# KiCad board Scopetrex.kicad_pcb (continued)
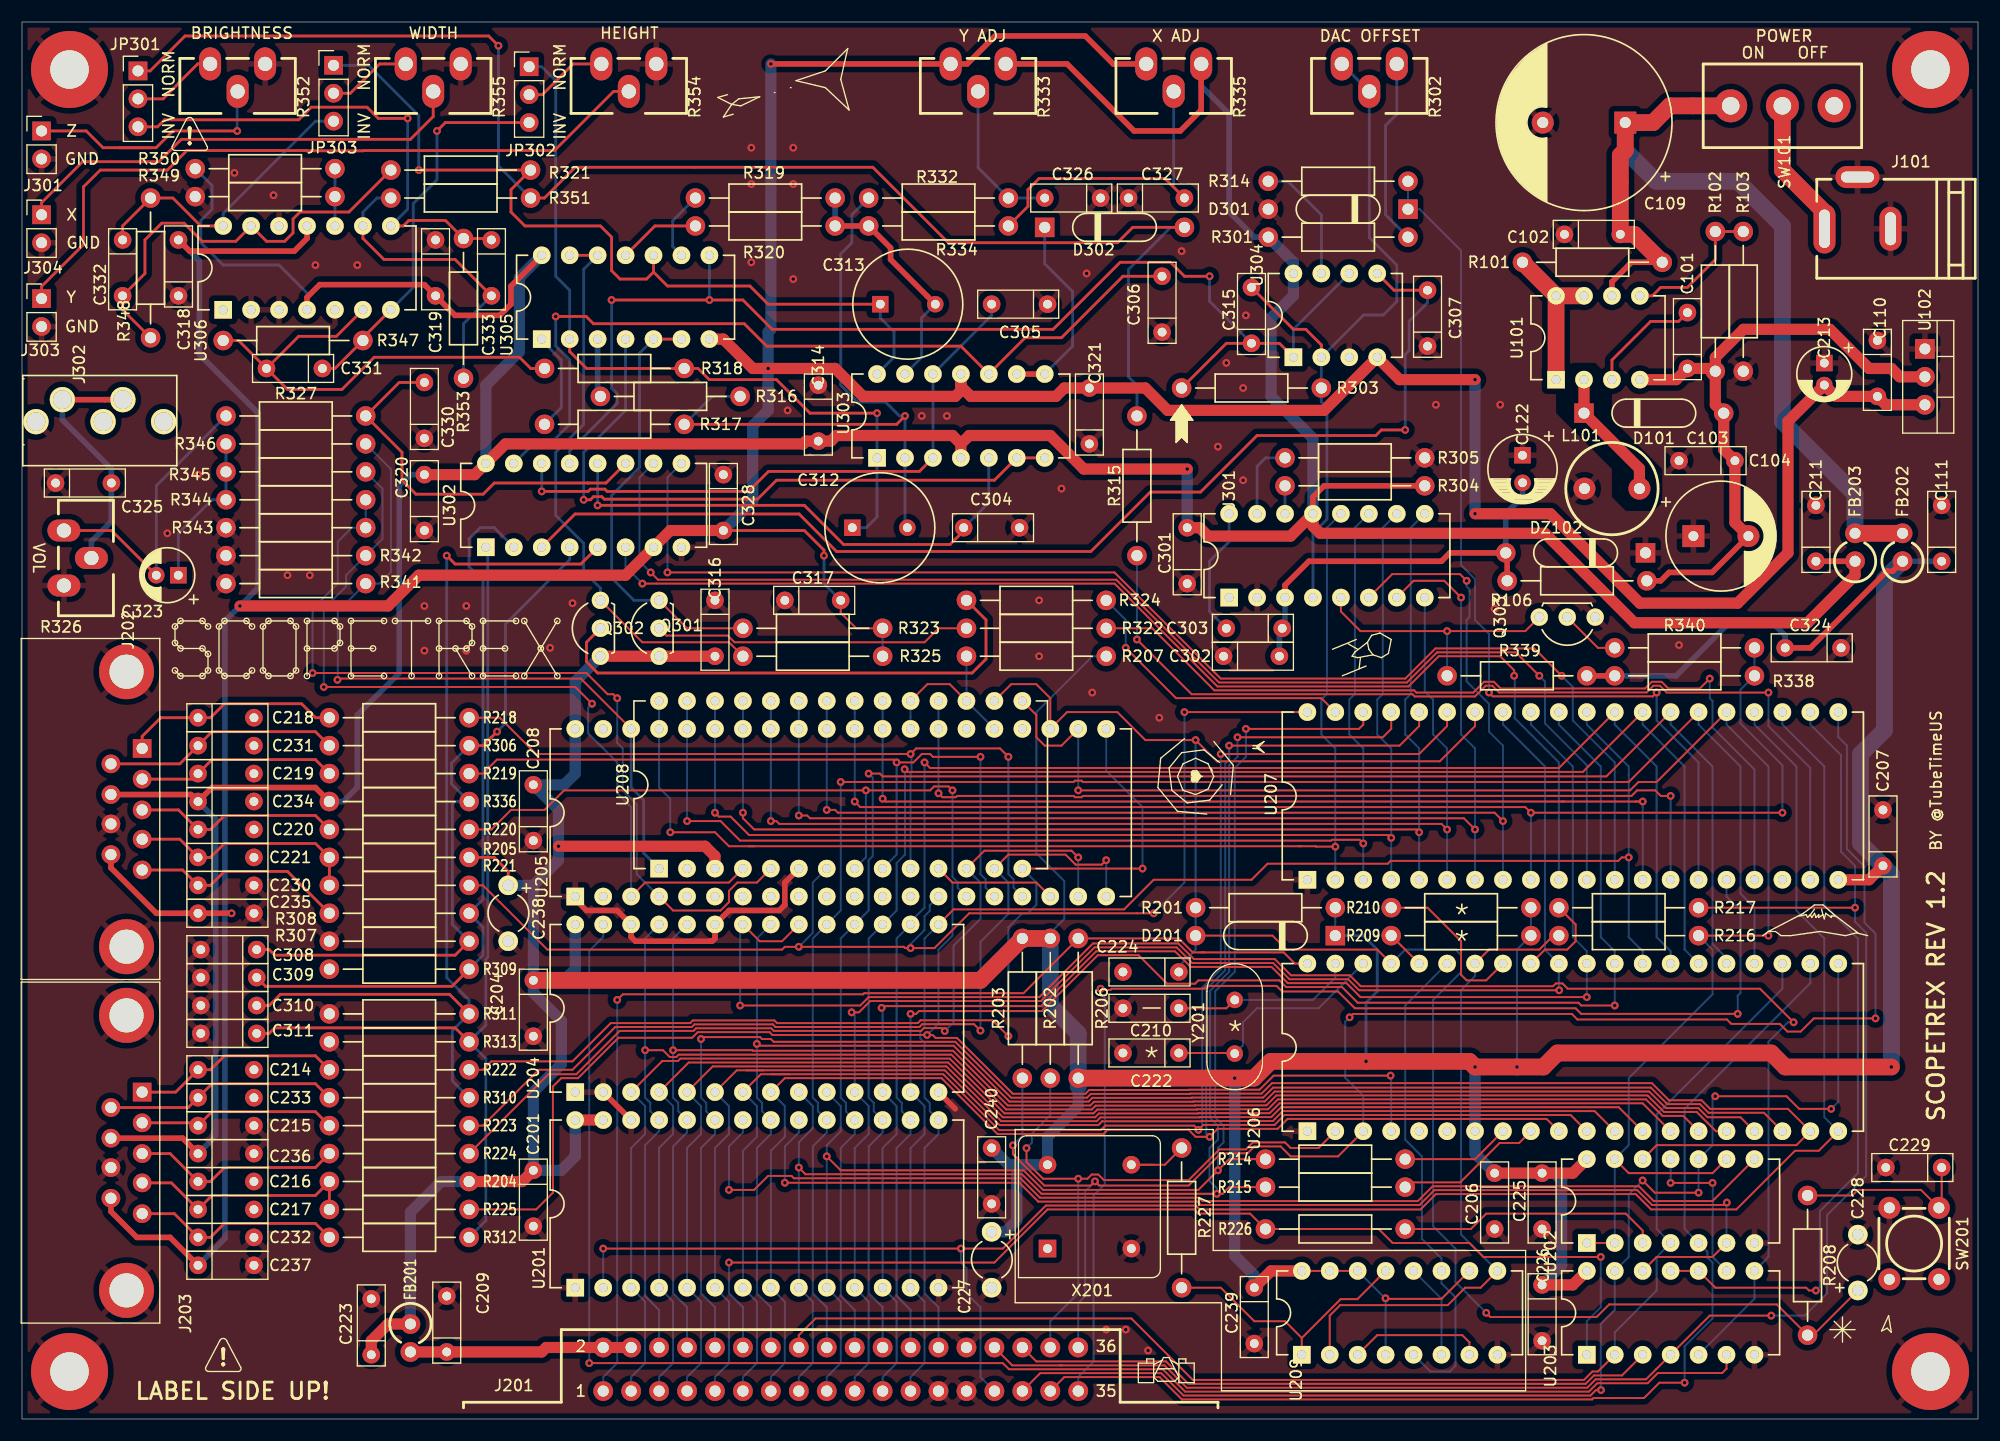
[diagram p0: board, top side]
## Nets
+5V: C111.1 C201.1 C204.1 C206.1 C207.1 C208.2 C223.1 C225.1 C226.1 C227.1 C238.1 C239.1 C240.1 C316.2 C324.2 D201.1 FB201.1 FB202.1 Q301.1 Q302.1 R201.1 R202.2 R203.2 R204.1 R205.1 R206.2 R207.2 R209.1 R210.2 R338.2 R339.2 U201.27 U201.28 U202.14 U203.14 U204.28 U205.40 U206.7 U207.20 U208.3 U209.4 U209.10 U209.14 U209.15 U209.16 X201.8
+5VA: C211.1 C234.1 C236.1 C301.2 C314.2 C319.2 C320.2 FB203.1 J202.7 J203.7 R301.2 R304.2 R333.1 R335.1 R336.1 R350.2 U301.13 U302.16 U303.4 U304.8 U305.14 U306.4
-5VA: C110.2 C213.2 C235.1 C237.1 C317.2 C318.2 C321.2 C328.2 J202.9 J203.9 R323.2 R325.2 R333.3 R335.3 U102.3 U302.7 U303.11 U304.4 U305.7 U306.11
-12VA: C122.2 C302.2 C303.1 DZ102.2 R106.1 U301.3
GND: C102.1 C103.2 C104.1 C109.2 C110.1 C111.2 C122.1 C201.2 C204.2 C206.2 C207.2 C208.1 C209.2 C210.2 C211.2 C213.1 C214.2 C215.2 C216.2 C217.2 C218.2 C219.2 C220.2 C221.2 C222.2 C223.2 C224.2 C225.2 C226.2 C227.2 C228.2 C229.2 C230.2 C231.2 C232.2 C233.2 C234.2 C235.2 C236.2 C237.2 C238.2 C239.2 C240.2 C301.1 C302.1 C304.2 C305.1 C306.1 C307.1 C308.2 C309.2 C310.2 C311.2 C314.1 C316.1 C317.1 C318.1 C319.1 C320.1 C321.1 C324.1 C325.1 C326.1 C327.1 C328.1 C330.1 D301.2 DZ102.1 J101.2 J101.3 J201.25 J201.27 J201.28 J202.8 J202.MP J203.8 J203.MP J301.2 J302.1 J303.2 J304.2 L101.2 MNT1.1 MNT2.1 MNT3.1 MNT4.1 Q303.1 R103.1 R305.1 R307.2 R309.2 R311.2 R313.2 R326.3 R341.2 R342.2 R343.2 R349.1 R352.1 R354.1 R355.1 SW201.4 U102.1 U201.1 U201.14 U201.26 U202.7 U203.7 U204.1 U204.2 U204.14 U204.23 U204.26 U205.1 U206.1 U207.1 U208.6 U209.8 U301.2 U302.8 U304.3 U306.2 U306.3 U306.5 U306.12 X201.4
/A0: J201.17 R214.1 U201.10 U204.10 U207.38
/A0R: R214.2 U206.8
/A1: J201.15 R215.1 U201.9 U204.9 U207.37
/A1R: R215.2 U206.9
/A2: J201.13 U201.8 U204.8 U206.10 U207.36
/A3: J201.11 U201.7 U204.7 U206.11 U207.35
/A4: J201.9 U201.6 U204.6 U206.12
/A5: J201.7 U201.5 U204.5 U206.13
/A6: J201.5 U201.4 U204.4 U206.14
/A7: J201.3 U201.3 U204.3 U206.15
/A8: J201.6 U201.25 U204.25 U206.16
/A9: J201.8 U201.24 U204.24 U206.17
/A10: J201.14 U201.21 U204.21 U206.18
/A11: J201.10 U201.23 U202.12 U206.19
/A12: J201.29 U201.2 U206.20 U207.24
/A13: J201.31 U202.10 U203.13 U206.21
/A14: J201.33 U202.5 U206.22
/A15: J201.16 U202.4 U203.2 U206.23
/analog/CHA: R343.1 R344.2 U205.4 U208.5
/analog/CHB: R342.1 R345.2 U205.3 U208.4
/analog/CHC: R341.1 R346.2 U205.38 U208.1
/analog/FPOT0: C311.1 R312.2 R313.1 U302.1
/analog/FPOT1: C310.1 R310.2 R311.1 U302.5
/analog/FPOT2: C309.1 R308.2 R309.1 U302.2
/analog/FPOT3: C308.1 R306.2 R307.1 R336.2 U302.4
/analog/RAMP: Q301.3 R323.1 U305.5 U305.6
/analog/VIDEO: D302.2 JP301.1 R315.1 R351.1
/analog/XAXIS: J304.1 R355.2
/analog/YAXIS: J303.1 R354.2
/analog/ZAXIS: J301.1 R352.2
/analog/ZERO: Q302.3 R325.1 U305.12 U305.13
/BC1: U205.29 U207.13 U208.20
/BDIR: U205.27 U207.14 U208.18
/COMPARE: D301.1 R314.1 U207.15
/DB0: J201.19 U201.11 U204.11 U206.31 U207.33
/DB1: J201.21 U201.12 U204.12 U206.30 U207.32
/DB2: J201.23 U201.13 U204.13 U206.29 U207.31
/DB3: J201.26 U201.15 U204.15 U206.28 U207.30
/DB4: J201.24 U201.16 U204.16 U206.27 U207.29
/DB5: J201.22 U201.17 U204.17 U206.26 U207.28
/DB6: J201.20 U201.18 U204.18 U206.25 U207.27
/DB7: J201.18 U201.19 U204.19 U206.24 U207.26
/E: R216.1 U202.1 U202.2 U202.9 U202.13 U205.22 U207.25 U208.15
/ER: R216.2 U206.34 U209.2 U209.9
/P0: U205.37 U207.2 U208.28 U301.12
/P1: U205.36 U207.3 U208.27 U301.11
/P2: U205.35 U207.4 U208.26 U301.10
/P3: U205.34 U207.5 U208.25 U301.9
/P4: U205.33 U207.6 U208.24 U301.8
/P5: U205.32 U207.7 U208.23 U301.7
/P6: U205.31 U207.8 U208.22 U301.6
/P7: R338.1 R340.1 U205.30 U207.9 U208.21
/PB6: J201.35 U207.16
/power/LX: D101.1 L101.1 U101.2
/Q: U206.35 U209.5 U209.11
/RAM_R~{W}: U203.6 U204.27
/R~{W}: J201.30 R217.1 U203.4 U207.22
/R~{W}R: R217.2 U206.32
/SEL0: U207.11 U302.10
/SEL1: U207.12 U302.9
/SH: U207.10 U302.6
/SW0: R222.2 U205.21 U208.14
/SW1: R223.2 U205.20 U208.13
/SW2: R224.2 U205.19 U208.12
/SW3: R225.2 U205.18 U206.4 U208.11
/SW4: R218.2 U205.17 U208.10
/SW5: R219.2 U205.16 U208.9
/SW6: R220.2 U205.15 U208.8
/SW7: R221.2 U205.14 U207.40 U208.7
/~{BLANK}: R315.2 U207.19
/~{CARTS}: J201.32 U203.3
/~{E}: J201.12 R226.2 U203.1
/~{HALT}: J201.1 R206.1 U206.40
/~{IOS}: U203.10 U203.11 U207.23
/~{IRQ}: J201.36 R203.1 U206.3 U207.21
/~{NMI}: J201.34 R202.1 U206.2
/~{RAMP}: R322.2 U207.17
/~{RAMS}: U203.5 U203.8 U204.20 U204.22
/~{RESET}: C224.1 C228.1 D201.2 R201.2 R208.1 U205.23 U206.37 U207.34 U208.16
/~{ROMOE}: U201.22 U202.8
/~{ROMS}: U201.20 U202.6 U203.12
/~{ZERO}: R324.2 U207.39
Net-(C101-Pad1): C101.1 C103.1 C104.2 D101.2 R102.2 R106.2 U101.4 U102.2
Net-(C101-Pad2): C101.2 U101.3
Net-(C102-Pad2): C102.2 C109.1 FB202.2 FB203.2 R101.2 SW101.1 U101.6
Net-(C209-Pad1): C209.1 FB201.2 J201.2 J201.4
Net-(C210-Pad1): C210.1 U206.39 Y201.1
Net-(C214-Pad1): C214.1 J203.1 R222.1
Net-(C215-Pad1): C215.1 J203.2 R223.1
Net-(C216-Pad1): C216.1 J203.3 R224.1
Net-(C217-Pad1): C217.1 J203.4 R204.2 R225.1
Net-(C218-Pad1): C218.1 J202.1 R218.1
Net-(C219-Pad1): C219.1 J202.2 R219.1
Net-(C220-Pad1): C220.1 J202.3 R220.1
Net-(C221-Pad1): C221.1 J202.4 R205.2 R221.1
Net-(C222-Pad1): C222.1 U206.38 Y201.2
Net-(C229-Pad1): C229.1 R208.2 SW201.2
Net-(C230-Pad1): C230.1 J202.5 R308.1
Net-(C231-Pad1): C231.1 J202.6 R306.1
Net-(C232-Pad1): C232.1 J203.5 R312.1
Net-(C233-Pad1): C233.1 J203.6 R310.1
Net-(C303-Pad2): C303.2 U301.16
Net-(C304-Pad1): C304.1 U302.12 U303.5
Net-(C305-Pad2): C305.2 U302.14 U303.3 U303.12
Net-(C306-Pad2): C306.2 U302.15 U303.10
Net-(C307-Pad2): C307.2 U302.3 U304.5
Net-(C312-Pad1): C312.1 JP302.1 R318.2 U303.1 U305.2
Net-(C312-Pad2): C312.2 R316.1 R317.2 R332.1 U303.2
Net-(C313-Pad1): C313.1 JP303.1 R321.1 U303.14 U305.10
Net-(C313-Pad2): C313.2 R319.1 R320.2 R334.2 U303.13
Net-(C315-Pad1): C315.1 R303.1 U302.13 U304.1 U304.6 U305.8
Net-(C315-Pad2): C315.2 R302.2 R302.3 R303.2 U301.4 U304.2
Net-(C323-Pad1): C323.1 R344.1 R345.1 R346.1
Net-(C323-Pad2): C323.2 R326.1 R327.1
Net-(C325-Pad2): C325.2 J302.2 J302.3 R326.2
Net-(C326-Pad2): C326.2 R332.2 R333.2
Net-(C327-Pad2): C327.2 R334.1 R335.2
Net-(C330-Pad2): C330.2 R327.2 U302.11
Net-(C331-Pad1): C331.1 JP302.3 R347.1 U306.7
Net-(C331-Pad2): C331.2 R318.1 R347.2 U306.6
Net-(C332-Pad1): C332.1 JP303.3 R348.2 U306.14
Net-(C332-Pad2): C332.2 R321.2 R348.1 U306.13
Net-(C333-Pad1): C333.1 JP301.3 R353.2 U306.8
Net-(C333-Pad2): C333.2 R351.2 R353.1 U306.9
Net-(D302-Pad1): D302.1 U303.8 U303.9
Net-(J101-Pad1): J101.1 SW101.2
Net-(JP301-Pad2): JP301.2 R352.3
Net-(JP302-Pad2): JP302.2 R354.3
Net-(JP303-Pad2): JP303.2 R355.3
Net-(Q301-Pad2): Q301.2 R322.1
Net-(Q302-Pad2): Q302.2 R324.1
Net-(Q303-Pad2): Q303.2 R340.2
Net-(Q303-Pad3): Q303.3 R339.1 U301.5
Net-(R101-Pad1): R101.1 U101.1 U101.7 U101.8
Net-(R102-Pad1): R102.1 R103.2 U101.5
Net-(R207-Pad1): R207.1 U205.25 U205.28 U208.17 U208.19
Net-(R209-Pad2): R209.2 U206.36
Net-(R210-Pad1): R210.1 U206.33
Net-(R226-Pad1): R226.1 U202.3
Net-(R227-Pad1): R227.1 U209.1 U209.13
Net-(R227-Pad2): R227.2 X201.5
Net-(R301-Pad1): R301.1 R302.1
Net-(R304-Pad1): R304.1 U301.14
Net-(R305-Pad2): R305.2 U301.15
Net-(R314-Pad2): R314.2 U304.7
Net-(R316-Pad2): R316.2 U305.3
Net-(R317-Pad1): R317.1 U305.1
Net-(R319-Pad2): R319.2 U305.9
Net-(R320-Pad1): R320.1 U305.11
Net-(R349-Pad2): R349.2 R350.1 U306.10
Net-(U202-Pad11): U202.11 U203.9
Net-(U209-Pad3): U209.3 U209.7
Net-(U209-Pad12): U209.6 U209.12
Net-(U303-Pad6): U303.6 U303.7 U305.4

Pads without a net: J302 4 5; SW101 3; SW201 1 3; U205 2 5 6 7 8 9 10 11 12 13 24 26 39; U206 5 6; U207 18; U208 2; U301 1; U306 1; X201 1

## Via types
v1: diameter 0.711, hole 0.33, Top to Bottom, 192 vias

## Routing (per net, layer and track width the routed paths; a pad name or vN(x,y) marks a point on that pad's centre or on a via; arc(x,y) is an arc through that point)
+5V: length 540.5
  Top w0.178: U209.10 129.03,10.92 123.99,10.92 v1(123.94,10.97) ; U209.16 U209.15 U209.14
  Top w0.254: C238.1 44.2,49.78 42.93,51.05 R205.1
  Top w0.508: C324.2 162.56,70.1 169.53,77.08 170.04,77.08 FB202.1 ; R338.2 R339.2
  Top w1.016: U207.20 167.89,49.02 C207.1 ; U208.3 62.99,51.17 62.09,52.07 v1(48.77,52.07) ; C223.1 31.75,7.11 33.27,8.64 FB201.1 ; 96.63,30.85 96.49,30.99 R206.2 ; C201.1 45.47,21.59 R204.1 ; C226.1 140.97,12.19 U203.14 ; U209.16 113.54,13.46 C239.1 ; Q302.1 Q301.1 C316.2 ; C206.1 C225.1 140.97,22.35 U202.14 ; U201.28 U201.27
  Top w1.524: v1(169.93,32) 160.27,32 159,33.27 139.57,33.27 138.3,32 v1(135.89,32) v1(132.08,32) 131.57,32.51 v1(122.17,32.51) 113.51,32.51 111.99,30.99 v1(110.24,30.99) ; R202.2 R203.2 87.12,39.88 C204.1 ; R206.2 109.98,30.99
  Bottom w0.178: R207.2 97.29,69.34 92.2,64.25 92.2,51.43 94.74,48.89 94.74,45.45 93.47,44.18 93.47,42.93 ; R210.2 R209.1 135.89,42.67 v1(135.89,32) 135.89,32.26 ; U209.14 123.9,10.97 v1(123.94,10.97) 123.95,10.96 U209.4 ; 120.45,43.94 D201.1 R201.1
  Bottom w0.254: D201.1 121.92,43.94 123.19,42.67 123.19,38.86 122.17,37.85 v1(122.17,32.51)
  Bottom w0.508: FB202.1 C111.1 ; C324.2 160.27,71.24 159.37,72.14 154.94,72.14 150.37,67.56 R338.2
  Bottom w1.016: C226.1 139.95,13.97 139.95,21.71 139.31,22.35 C225.1 ; C204.1 46.48,38.75 49.02,36.21 49.02,32.26 46.48,29.72 C201.1 49.02,22.61 50.29,23.88 U201.28 ; C204.1 46.48,48.51 ; C204.1 49.28,39.88 50.29,40.89 U204.28 ; 96.01,30.23 96.01,28.45 93.22,25.65 X201.8 90.68,23.11 ; 46.48,48.51 C238.1 ; 46.48,48.51 48.77,50.8 48.77,55.37 C208.2 49.28,57.66 50.29,58.67 U205.40 50.29,67.06 Q302.1 ; 110.24,29.46 110.24,14.85 112.01,13.07 C239.1 ; 110.24,29.46 110.24,30.23 ; 110.24,29.46 110.24,30.73 ; 110.24,29.46 v1(110.24,30.99) ; R204.1 38.1,21.59 35.31,18.8 FB201.1 ; C206.1 132.08,24.13 U206.7 132.08,28.19 ; C240.1 89.66,23.11 90.42,23.11 90.42,18.05 89.4,17.02 C227.1 ; 132.08,28.19 v1(132.08,32) ; 132.08,28.19 132.08,30.31
  Bottom w1.524: v1(169.93,32) 169.93,49.53 C207.1 167.13,52.32 167.13,60.45 169.29,62.61 169.29,76.33 FB202.1 ; 93.47,42.93 93.47,37.59 96.01,35.05 96.01,30.23
+5VA: length 404.5
  Top w0.508: FB203.1 C211.1 ; C236.1 14.6,25.53 J203.7 ; R304.2 118.36,84.84 117.35,83.82 U301.13 ; J202.7 15.37,56.77 C234.1 17.27,57.4 26.67,57.4 R336.1 ; R333.1 95,123.19 101.09,117.09 105.28,117.09 107.19,119 R335.1 ; U306.4 25.91,101.97 27.06,103.12 36.58,103.12 C319.2 39.37,100.33 43.43,100.33 44.45,101.35 44.45,103 U305.14
  Top w1.016: v1(105.92,86.36) 96.52,86.36 93.47,89.41 86.11,89.41 85.34,88.65 ; 85.34,88.65 84.58,89.41 74.03,89.41 73.52,88.9 C314.2 71.26,88.9 71,88.65 43.94,88.65 U302.16 41.15,85.85 C320.2 ; 85.34,88.65 U303.4 ; FB203.1 166.62,76.71 162.31,72.39 146.56,72.39 138.43,80.52 117.99,80.52 117.35,81.16 U301.13 115.32,80.26 107.81,80.26 107.05,81.03 C301.2
  Bottom w0.254: U306.4 25.91,102.36 23.37,104.9 18.29,104.9 16.26,106.93 16.26,108.97 17.27,109.98 17.27,112.14 R350.2
  Bottom w0.508: R301.2 112.03,107.44 109.73,109.74 109.73,118.64 107.19,121.18 R335.1 ; C236.1 17.6,25.73 17.6,54.53 C234.1 ; R336.1 29.2,56.13 30.48,57.42 30.48,64.01 34.29,67.82 34.29,84.84 35.31,85.85 C320.2
  Bottom w1.016: U301.13 117.35,89.15 113.54,92.96 113.54,100.09 115.57,102.12 U304.8 115.57,105.16 R301.2 ; C301.2 v1(105.92,86.36) ; U305.14 45.21,103.76 45.21,97.03 42.16,93.98 U302.16
-5VA: length 442.5
  Top w0.178: R323.2 75.83,71.88 74.42,73.29 C317.2 ; 71.11,80.77 69.34,80.77
  Top w0.254: 69.09,80.77 69.34,80.77 ; 69.09,80.77 71.11,80.77 72.9,78.99 v1(72.9,78.49) ; 69.09,80.77 C328.2
  Top w0.508: J203.9 8.08,18.87 10.44,16.51 13.46,16.51 C237.1 ; v1(68.07,123.19) R333.3 85.92,123.19 88.46,125.73 96.65,125.73 99.19,123.19 R335.3 ; J202.9 8.08,50.11 12.22,45.97 C235.1 v1(19.05,45.97) ; C318.2 15.24,106.17 24.75,106.17 25.91,107.33 U306.11
  Top w1.016: U305.7 63.75,98.17 66.42,95.5 v1(67.82,95.5) 73.91,95.5 76.45,92.96 84.84,92.96 85.34,93.47 U303.11 85.34,93.86 86.24,92.96 93.98,92.96 94.74,93.73 C321.2 102.11,93.73 104.14,91.69 118.36,91.69 U304.4 125.22,94.49 v1(132.08,94.49) ; v1(19.81,73.91) 33.27,73.91 36.07,76.71 54.86,76.71 U302.7 58.93,80.77 C328.2 ; U102.3 169.42,92.2 C110.2 164.86,92.96 C213.2 160.53,90.69 160.53,78.74 155.96,74.17 147.07,74.17 138.94,82.3 v1(132.08,82.3)
  Bottom w0.178: R325.2 R323.2
  Bottom w0.254: v1(72.9,78.49) 72.9,75.95 C317.2
  Bottom w0.508: 18.44,45.87 18.44,72.54 v1(19.81,73.91) 21.46,75.56 21.46,91.44 16.13,96.77 16.13,105.28 C318.2 ; 18.44,45.87 18.44,16.41 C237.1 ; 18.44,45.87 18.54,45.97 v1(19.05,45.97)
  Bottom w1.016: v1(132.08,94.49) v1(132.08,82.3) ; C328.2 66.42,83.44 66.42,90.3 67.82,91.69 67.82,93.22 ; v1(68.07,123.19) 68.07,99.06 67.82,98.81 v1(67.82,95.5) 67.82,93.22 ; 67.82,93.22 67.82,94.11
-12VA: length 37.6
  Top w0.508: U301.3 114.81,75.81 116.98,77.98 129.03,77.98 129.79,78.74 DZ102.2 135,78.61 R106.1
  Bottom w0.508: C122.2 136.4,83.84 134.87,82.32 DZ102.2 ; U301.3 114.81,72.14 C303.1 114.3,71.63 C302.2
GND: length 33.8
  Top w0.254: 55.37,43.83 55.76,43.43
  Top w0.508: 84.84,28.19 U204.14 ; 55.76,43.45 55.75,43.45 55.37,43.83 U204.26 54.1,46.23 51.31,46.23 50.29,47.24 U205.1 ; 55.76,43.43 62.48,43.43 62.5,43.45 62.75,43.45 62.99,43.69 U204.23 64.26,46.23 68.83,46.23 69.34,46.74 69.34,48.77 U208.6 ; U204.2 U201.26
  vias: v1(13.21,80.52) v1(16,85.85) v1(19.3,113.28) v1(22.86,111.25) v1(24.13,76.71) v1(26.16,76.71) v1(26.67,104.9) v1(30.48,104.9) v1(36.58,73.91) v1(36.58,69.85) v1(40.39,73.91) v1(40.39,69.85) v1(48.01,70.1) v1(50.04,74.17) v1(66.29,115.57) v1(66.29,112.27) v1(66.29,105.16) v1(69.6,91.69) v1(70.1,115.57) v1(70.1,112.27) v1(70.1,103.63) v1(81.79,91.19) v1(84.07,91.19) v1(92.46,74.42) v1(92.46,69.34) v1(94.49,84.58) v1(96.77,104.14) v1(97.28,66.04) v1(98.55,8.13) v1(100.33,8.13) v1(102.36,6.22) v1(103.38,63.75) v1(105.41,106.17) v1(108.71,88.39) v1(109.47,96.01) v1(111,93.73) v1(111,85.34) v1(111.25,100.33) v1(128.52,92.2) v1(133.86,73.66) v1(134.37,92.2) v1(150.62,70.36)
/A0: length 125.4
  Top w0.178: U207.38 121.92,63.13 121.53,62.74 v1(111.25,62.74) ; v1(73.15,23.88) 74.42,22.61 91.04,22.61 92.82,20.83 106.93,20.83 v1(108.71,22.61) 109.73,23.62 R214.1
  Bottom w0.178: U204.10 74.42,28.45 74.42,26.16 73.15,24.89 U201.10 74.42,10.67 74.42,5.08 73.15,3.81 J201.17 ; v1(108.71,22.61) 108.71,24.64 109.22,25.15 109.22,26.67 108.46,27.43 108.46,38.88 110.24,40.66 110.24,59.18 111.25,60.2 v1(111.25,62.74) ; 113.09,23.69 R214.1
/A0R: length 9.9
  Top w0.178: R214.2 132.08,23.62 U206.8
/A1: length 132.2
  Top w0.178: R215.1 109.74,21.08 109.13,20.47 v1(108.61,20.47) 92.67,20.47 90.9,22.25 71.22,22.25 v1(70.61,22.86) ; v1(110.49,61.98) 123.7,61.98 124.46,62.74 U207.37
  Bottom w0.178: U204.9 71.88,28.45 71.88,26.42 70.61,25.15 v1(70.61,22.86) U201.9 71.88,10.67 71.88,5.08 70.61,3.81 J201.15 ; v1(108.61,20.47) 108.61,20.98 107.95,21.64 107.95,24.64 108.71,25.4 108.71,26.66 108,27.37 108,38.92 109.73,40.65 109.73,59.44 110.49,60.2 v1(110.49,61.98)
/A1R: length 13.5
  Top w0.178: R215.2 126.16,21.51 130.73,21.51 134.32,25.1 136.09,25.1 U206.9
/A2: length 160.9
  Top w0.178: v1(109.73,61.21) 125.22,61.21 127,62.99 U207.36 ; U204.8 69.34,30.99 83.59,30.99 88.67,25.91 98.3,25.91 98.68,26.29 106.04,26.29 106.68,25.65 v1(107.95,25.65) 108.67,26.38 114.13,26.38 115.04,27.28 138.58,27.28 U206.10
  Bottom w0.178: v1(109.73,61.21) 109.73,59.94 109.37,59.59 109.37,40.8 107.65,39.07 107.65,25.96 v1(107.95,25.65) ; U204.8 69.34,28.45 69.34,25.65 68.07,24.38 U201.8 69.34,10.67 69.34,5.08 68.07,3.81 J201.13
/A3: length 169.9
  Top w0.178: U206.11 140.77,27.64 114.76,27.64 113.86,26.73 107.38,26.73 v1(106.93,26.29) 106.55,26.67 98.48,26.67 98.07,26.26 88.82,26.26 83.74,31.34 69.75,31.34 ; v1(108.97,60.45) 127,60.45 129.54,62.99 U207.35 ; 68.05,31.34 69.75,31.34 ; 69.75,31.34 67.16,31.34 U204.7
  Bottom w0.178: v1(106.93,26.29) 107.29,26.64 107.29,39.22 108.97,40.89 v1(108.97,60.45) ; U204.7 66.8,28.45 66.8,25.65 65.53,24.38 U201.7 66.8,10.67 66.8,5.08 65.53,3.81 J201.11
/A4: length 116.8
  Top w0.178: 67.36,31.7 83.89,31.7 88.86,26.72 97.84,26.72 98.18,27.06 107.21,27.06 107.23,27.09 113.71,27.09 114.61,27.99 142.95,27.99 U206.12 ; 67.36,31.7 64.97,31.7 U204.6 ; 67.36,31.7 65.83,31.7
  Bottom w0.178: J201.9 62.99,3.81 64.26,5.08 64.26,10.67 U201.6 62.99,24.64 64.26,25.91 64.26,28.45 U204.6
/A5: length 120.6
  Top w0.178: U204.5 62.79,32.05 84.03,32.05 89.01,27.08 97.69,27.08 98.04,27.42 107.06,27.42 107.08,27.44 113.56,27.44 114.46,28.35 145.14,28.35 U206.13
  Bottom w0.178: U204.5 61.72,28.45 61.72,25.91 60.45,24.64 U201.5 61.72,10.67 61.72,5.08 60.45,3.81 J201.7
/A6: length 126
  Top w0.178: U204.4 60.6,32.41 84.18,32.41 89.16,27.43 97.55,27.43 97.89,27.77 106.91,27.77 106.94,27.8 113.41,27.8 114.31,28.7 147.32,28.7 U206.14
  Bottom w0.178: J201.5 57.91,3.81 59.18,5.08 59.18,10.67 U201.4 57.91,24.64 59.18,25.91 59.18,28.45 U204.4
/A7: length 131.4
  Top w0.178: U206.15 151.01,27.55 149.12,27.55 147.62,29.06 114.16,29.06 113.26,28.16 106.79,28.16 106.76,28.13 97.74,28.13 97.4,27.79 89.31,27.79 84.33,32.77 59.84,32.77 59.63,32.55 58.2,32.55 U204.3
  Bottom w0.178: U204.3 56.64,28.45 56.64,25.91 55.37,24.64 U201.3 56.64,10.67 56.64,5.08 55.37,3.81 J201.3
/A8: length 143.9
  Top w0.178: v1(56.64,33.53) 58.26,33.53 58.88,32.91 59.48,32.91 59.7,33.12 84.48,33.12 89.46,28.14 97.25,28.14 97.59,28.49 106.62,28.49 106.64,28.51 113.11,28.51 114.02,29.41 147.77,29.41 149.27,27.91 152.23,27.91 153.98,26.16 U206.16
  Bottom w0.178: 57.91,7.62 57.91,7.87 ; 57.91,7.87 J201.6 ; 57.91,7.87 57.91,9.91 56.64,11.18 56.64,24.89 57.91,26.16 U201.25 57.11,27.98 57.11,28.74 56.64,29.21 v1(56.64,33.53) ; 56.64,32.99 56.64,43.69 U204.25
/A9: length 143.2
  Top w0.178: U206.17 156.21,27.43 153.21,27.43 152.38,28.26 149.42,28.26 147.91,29.77 113.87,29.77 112.97,28.87 106.49,28.87 106.47,28.84 97.45,28.84 97.1,28.5 89.61,28.5 84.63,33.48 66.44,33.48 66.39,33.53 v1(59.18,33.53)
  Bottom w0.178: 60.45,7.87 J201.8 ; 60.45,7.87 60.45,7.62 ; 60.45,7.87 60.45,10.16 59.18,11.43 59.18,24.78 60.45,26.05 U201.24 59.65,27.98 59.65,28.74 59.18,29.21 v1(59.18,33.53) 59.18,43.69 U204.24
/A10: length 138.1
  Top w0.178: U206.18 158.34,27.84 153.31,27.84 152.53,28.62 149.57,28.62 148.06,30.12 113.72,30.12 112.82,29.22 106.35,29.22 106.32,29.2 97.3,29.2 96.96,28.85 89.76,28.85 84.68,33.93 66.96,33.93 v1(66.8,34.1)
  Bottom w0.178: J201.14 68.07,10.16 66.8,11.43 66.8,24.64 68.07,25.91 U201.21 67.27,27.98 67.27,28.74 66.8,29.21 66.8,43.69 U204.21
/A11: length 151.5
  Top w0.178: v1(61.72,34.54) 61.9,34.72 67.09,34.72 67.27,34.54 68.07,34.54 68.33,34.29 84.84,34.29 89.92,29.21 96.81,29.21 97.15,29.55 106.17,29.55 106.2,29.58 112.67,29.58 113.62,30.53 148.16,30.53 149.71,28.98 152.67,28.98 153.46,28.19 160.53,28.19 U206.19 161.29,24.89 148.59,24.89 U202.12
  Bottom w0.178: v1(61.72,34.54) 61.72,29.21 62.19,28.74 62.19,27.98 U201.23 62.99,25.91 61.72,24.64 61.72,11.43 62.99,10.16 J201.10
/A12: length 177.2
  Top w0.178: v1(52.83,15.49) v1(85.34,15.49) 89.16,15.49 93.07,19.41 106.7,19.41 107.06,19.05 127.12,19.05 128.52,20.45 146.69,20.45 148.08,19.05 155.83,19.05 161.16,24.38 163.32,24.38 U206.20
  Bottom w0.178: U207.24 157.48,63.13 161.29,59.32 161.29,46.23 163.83,43.69 163.83,27.43 U206.20 ; J201.29 87.12,3.81 87.12,10.16 85.85,11.43 85.85,13.72 85.34,14.22 v1(85.34,15.49) ; U201.2 v1(52.83,15.49)
/A13: length 114.4
  Top w0.178: v1(164.45,28.19) 161.54,28.19 160.39,29.34 v1(153.91,29.34) ; J201.31 92.56,4.17 103.55,4.17 105.58,2.13 142.58,2.13 143.07,2.63 v1(143.53,2.63) ; v1(152.4,20.57) 148.42,20.57 v1(147.31,21.69)
  Bottom w0.178: v1(143.53,2.63) 143.51,2.65 143.51,8.64 144.78,9.91 U203.13 146.05,14.73 146.05,20.42 v1(147.31,21.69) ; U206.21 165.1,28.84 v1(164.45,28.19) ; v1(153.91,29.34) 153.67,29.1 153.67,24.89 U202.10 v1(152.4,20.57)
/A14: length 104.6
  Top w0.178: J201.33 94.74,3.81 103.4,3.81 105.44,1.78 142.72,1.78 142.85,1.9 147.45,1.9 148.84,3.3 v1(151.13,3.3)
  Bottom w0.178: U206.22 162.56,39.62 151.13,28.19 151.13,17.27 U202.5 153.2,15.2 153.2,14.69 153.67,14.22 153.67,9.14 151.13,6.6 v1(151.13,3.3)
/A15: length 122.1
  Top w0.178: U203.2 143.26,4.32 142.75,4.32 141.99,3.56 106.43,3.56 100.84,9.14 72.14,9.14 70.61,7.62 J201.16
  Bottom w0.178: U206.23 160.02,39.12 148.59,27.69 148.59,17.27 U202.4 148.59,14.73 148.59,11.68 144.78,7.87 U203.2
/analog/CHA: length 79.6
  Top w0.178: U205.4 59.18,46.23 63.5,46.23 64.26,46.99 64.26,48.01 65.02,48.77 66.8,48.77 U208.5 ; v1(26.42,67.82) 51.31,67.82 53.24,65.89 53.75,65.89 v1(54.1,65.53)
  Bottom w0.178: U205.4 55.88,49.53 55.88,55.88 54.61,57.15 54.61,60.96 54.1,61.47 v1(54.1,65.53) ; v1(26.42,67.82) 26.42,73.66 28.7,75.95 28.7,79.76 29.97,81.03 R343.1 R344.2
/analog/CHB: length 77.9
  Top w0.178: v1(27.43,66.55) 50.29,66.55 v1(51.82,65.02) ; U205.3 56.64,48.77 64.26,48.77 U208.4
  Bottom w0.178: v1(51.82,65.02) 51.46,64.67 51.46,62.33 54.1,59.69 54.1,56.9 55.37,55.63 U205.3 ; R345.2 32.77,84.58 32.77,80.01 R342.1 29.46,76.71 29.46,75.69 27.43,73.66 v1(27.43,66.55)
/analog/CHC: length 67.5
  Top w0.178: v1(28.67,67.2) 28.79,67.31 50.8,67.31 U205.38
  Bottom w0.178: R346.2 33.53,86.36 33.53,76.97 32.5,75.95 R341.1 28.7,73.41 28.7,67.22 v1(28.67,67.2)
  Bottom w0.254: U205.38 55.37,57.4 56.52,56.26 56.52,51.43 U208.1
/analog/FPOT0: length 84.8
  Top w0.254: R313.1 39.37,35.56 22.98,35.56 22.47,35.05 C311.1
  Bottom w0.254: U302.1 42.34,79.07 42.34,41.99 42.16,41.81 42.16,35.81 R313.1 42.16,32.77 42.16,18.03 R312.2
/analog/FPOT1: length 86.5
  Top w0.254: U302.5 50.8,77.72 39.37,77.72 v1(38.61,78.49) ; R311.1 38.86,38.61 23.48,38.61 22.47,37.59 C310.1
  Bottom w0.254: R310.2 39.12,30.73 39.12,35.31 R311.1 40.64,38.09 38.61,40.12 v1(38.61,78.49)
/analog/FPOT2: length 66.7
  Top w0.254: C309.1 22.14,39.33 39.08,39.33 R309.1
  Bottom w0.254: U302.2 42.93,81.03 41.66,81.03 40.64,80.01 40.64,77.47 41.91,76.2 41.91,47.24 R308.2 41.91,44.7 41.91,42.16 R309.1
/analog/FPOT3: length 63.7
  Top w0.254: R307.1 39.37,42.16 22.98,42.16 22.47,42.67 C308.1 ; R306.2 41.9,61.21 42.66,61.98 42.67,61.98 v1(43.18,62.48)
  Bottom w0.254: v1(43.18,62.48) 43.94,63.25 43.94,72.27 49.78,78.12 U302.4 ; R306.2 39.04,59.61 39.04,57.73 R336.2 39.38,56.13 39.12,55.87 39.12,44.96 R307.1
/analog/RAMP: length 41.1
  Top w0.178: R323.1 60.45,71.88 Q301.3
  Top w0.254: U305.6 U305.5
  Bottom w0.254: Q301.3 55.63,74.42 53.59,76.45 53.59,83.96 56.13,86.5 56.13,91.69 ; 56.13,91.69 56.13,96.9 U305.5 ; 56.13,91.69 56.13,93.1
/analog/VIDEO: length 133.8
  Top w0.254: R351.1 47.49,111 50.28,113.79 77.34,113.79 84.2,106.93 99.57,106.93 100.97,108.33 D302.2 ; JP301.1 11.65,122.55 14.82,125.73 42.42,125.73 v1(43.31,124.84)
  Bottom w0.254: R315.1 101.35,93.98 100.58,94.74 100.58,104.51 104.41,108.33 D302.2 ; v1(43.31,124.84) 43.31,113.92 R351.1
/analog/XAXIS: length 42.2
  Top w0.254: R355.2 37.38,118.4 35.31,116.33 14.48,116.33 12.45,114.3 5.5,114.3 1.78,110.58 J304.1
/analog/YAXIS: length 64.8
  Top w0.254: 55.03,120.69 53.78,120.69 48.4,115.32 31.04,115.32 31.02,115.29 25.88,115.29 25.85,115.32 14.99,115.32 13.21,113.54 7.11,113.54 5.59,112.01 5.59,106.77 1.78,102.96 J303.1
/analog/ZAXIS: length 25.5
  Top w0.254: 8.89,115.57 12.19,115.57 13.72,117.09 v1(19.56,117.09) ; 8.89,115.57 7.37,115.57 5.84,117.09 J301.1 ; 8.89,115.57 11.68,115.57
  Bottom w0.254: 19.72,120.69 19.56,120.52 v1(19.56,117.09)
/analog/ZERO: length 52.2
  Top w0.178: R325.1 64.26,70.61 56.39,70.61 Q302.3
  Top w0.254: U305.12 U305.13
  Bottom w0.254: U305.12 51.05,104.52 51.05,90.42 48.51,87.88 48.51,82.15 51.05,79.61 51.05,77.06 52.58,75.54 Q302.3
/BC1: length 85.8
  Top w0.178: v1(78.23,56.39) 78.49,56.13 139.95,56.13 ; 139.95,56.13 140.21,56.13 ; 139.95,56.13 146.69,56.13 ; 146.69,56.13 v1(147.32,56.13) ; 146.69,56.13 146.93,56.13
  Bottom w0.178: U208.20 U205.29 v1(78.23,56.39) ; U207.13 147.32,55.63 ; 147.32,55.63 147.32,55.74 ; 147.32,55.63 v1(147.32,56.13)
/BDIR: length 84.5
  Top w0.178: 142.24,56.64 140.97,56.64 ; 140.97,56.64 96.43,56.64 96.31,56.53 95.71,56.53 95.6,56.64 85,56.64 84.88,56.53 83.67,56.53 v1(83.31,56.88) ; 140.97,56.64 146.3,56.64 146.81,57.15 148.46,57.15 148.97,56.64 v1(149.86,56.64)
  Bottom w0.178: v1(149.86,56.64) U207.14 ; U208.18 U205.27 v1(83.31,56.88)
/COMPARE: length 84.3
  Top w0.178: v1(148.59,66.04) 148.23,65.68 148.22,65.7 133.69,65.7 v1(133.35,66.04)
  Bottom w0.178: R314.1 D301.1 127.05,109.98 130.81,106.22 130.81,77.63 132.08,76.36 132.08,72.64 133.35,71.37 v1(133.35,66.04) ; U207.15 152.4,59.69 148.59,63.5 v1(148.59,66.04)
/DB0: length 132.4
  Top w0.178: v1(75.42,36.97) 76.08,36.97 77.11,38 92.62,38 97.5,42.88 104.96,42.88 106.38,41.45 113.73,41.45 115.2,39.98 120.54,39.98 121.55,38.98 v1(139.73,38.98)
  Bottom w0.178: U207.33 134.62,63.13 138.43,59.32 138.43,42.67 U206.31 139.7,39 v1(139.73,38.98) ; J201.19 75.69,3.81 76.96,5.08 76.96,10.67 U201.11 75.69,24.64 76.96,25.91 76.96,28.45 U204.11 75.69,36.7 v1(75.42,36.97)
/DB1: length 132.9
  Top w0.178: v1(142.24,38.35) 121.67,38.35 120.4,39.62 115.06,39.62 113.58,41.1 106.23,41.1 104.81,42.52 97.64,42.52 92.66,37.53 78.3,37.53 v1(78.14,37.38)
  Bottom w0.178: v1(78.14,37.38) 78.23,37.28 U204.12 79.5,28.45 79.5,25.91 78.23,24.64 U201.12 79.5,10.67 79.5,5.08 78.23,3.81 J201.21 ; U207.32 137.16,63.13 140.97,59.32 140.97,43.8 142.24,42.53 U206.30 v1(142.24,38.35)
/DB2: length 133.5
  Top w0.178: v1(144.78,37.59) 141.73,37.59 141.48,37.85 121.41,37.85 119.99,39.27 114.91,39.27 114.3,39.88 106.93,39.88 106.63,39.57 104.09,39.57 101.5,42.16 97.79,42.16 92.71,37.08 81.53,37.08 81.28,36.83 v1(80.77,36.83)
  Bottom w0.178: J201.23 80.77,3.81 82.04,5.08 82.04,10.67 U201.13 80.77,24.64 82.04,25.91 82.04,28.45 U204.13 v1(80.77,36.83) ; v1(144.78,37.59) U206.29 144.78,42.53 143.51,43.8 143.51,59.32 139.7,63.13 U207.31
/DB3: length 131.1
  Top w0.178: U204.15 84.68,46.33 100.18,46.33 102.87,49.02 111.76,49.02 113.22,50.48 124.14,50.48 124.4,50.74 145.1,50.74 145.41,51.05 v1(146.05,51.05)
  Bottom w0.178: J201.26 83.31,10.16 82.04,11.43 82.04,24.64 83.31,25.91 U201.15 82.51,27.98 82.51,28.74 82.04,29.21 82.04,34.22 81.65,34.61 81.65,35.21 82.04,35.6 82.04,43.69 U204.15 ; U206.28 147.32,42.53 146.05,43.8 v1(146.05,51.05) 146.05,59.32 142.24,63.13 U207.30
/DB4: length 145.8
  Top w0.178: U207.29 139.7,59.18 82.55,59.18 v1(82.04,59.69)
  Bottom w0.178: J201.24 80.77,9.91 79.5,11.18 79.5,24.64 80.77,25.91 U201.16 79.97,27.98 79.97,28.74 79.5,29.21 79.5,43.69 U204.16 80.77,45.21 82.04,46.48 v1(82.04,59.69) ; U206.27 149.86,42.53 148.59,43.8 148.59,59.32 144.78,63.13 U207.29
/DB5: length 149.9
  Top w0.178: U207.28 141.88,58.83 139.85,58.83 80.48,58.83 v1(80.24,59.07)
  Bottom w0.178: v1(80.24,59.07) 80.26,59.04 80.26,51.31 79.5,50.55 79.5,46.23 U204.17 76.96,43.69 76.96,29.21 77.43,28.74 77.43,27.98 U201.17 78.23,26.05 76.96,24.78 76.96,11.43 78.23,10.16 J201.22 ; U207.28 147.32,63.13 151.13,59.32 151.13,42.67 U206.26
/DB6: length 155.5
  Top w0.178: U207.27 144.02,58.42 78.23,58.42 77.98,58.67 v1(76.96,58.67)
  Bottom w0.178: U206.25 154.94,41.9 153.67,43.17 153.67,59.32 149.86,63.13 U207.27 ; v1(76.96,58.67) 77.33,58.31 77.33,51.17 76.96,50.81 76.96,46.23 U204.18 74.42,43.69 74.42,29.21 74.89,28.74 74.89,27.98 U201.18 75.69,25.91 74.42,24.64 74.42,11.18 75.69,9.91 J201.20
/DB7: length 159.7
  Top w0.178: v1(74.42,57.91) 95.6,57.91 95.71,58.03 96.31,58.03 96.43,57.91 108.99,57.91 146.05,57.91 U207.26
  Bottom w0.178: v1(74.42,57.91) 74.42,46.23 U204.19 71.88,43.69 71.88,29.21 72.35,28.74 72.35,27.98 U201.19 73.15,26.05 71.88,24.78 71.88,11.43 73.15,10.16 J201.18 ; U207.26 152.4,63.13 156.21,59.32 156.21,47.75 157.48,46.48 U206.24
/E: length 150.2
  Top w0.178: U202.1 U202.2 ; U207.25 148.59,57.91 146.94,57.91 146.18,57.15 v1(96.01,57.15) ; U208.15 92.2,64.01 92.2,61.98 92.96,61.21 94.49,61.21 U205.22 ; U202.9 153.67,22.35 146.05,22.35 U202.13 ; v1(158.75,43.94) R216.1
  Bottom w0.178: U202.2 U202.13 146.05,24.89 146.05,30.99 153.67,38.61 153.67,42.67 R216.1 ; U205.22 v1(96.01,57.15) ; v1(158.75,43.94) 158.75,59.32 154.94,63.13 U207.25
/ER: length 59
  Top w0.178: U206.34 133.35,42.67 137.93,42.67 139.2,43.94 R216.2 ; U209.9 132.59,11.94 131.19,11.94 129.6,10.35 119.82,10.35 118.87,9.4 U209.2
  Bottom w0.178: U206.34 132.08,40.27 130.81,39 130.81,16.76 U209.9
/P0: length 109.8
  Top w0.178: v1(119.38,52.03) 117.64,52.03 117.6,52.07 116.08,52.07 ; 116.08,52.07 116.33,52.07 ; 116.08,52.07 66.55,52.07 ; v1(58.93,53.34) 62.99,53.34 64.26,52.07 66.55,52.07 ; 66.55,52.07 66.04,52.07
  Bottom w0.178: U301.12 118.62,81.03 118.62,65.91 118.11,65.4 118.11,62.23 119.38,60.96 v1(119.38,52.03) U207.2 119.38,50.15 ; U208.28 U205.37 57.91,57.4 58.93,56.39 v1(58.93,53.34)
/P1: length 107.8
  Top w0.178: v1(60.45,54.36) 63.5,54.36 65.28,52.58 119.01,52.58 119.08,52.65 121.59,52.65 v1(121.92,52.32)
  Bottom w0.178: U207.3 v1(121.92,52.32) 121.92,60.96 120.65,62.23 120.65,65.4 121.16,65.91 121.16,81.03 U301.11 ; U208.27 U205.36 v1(60.45,54.36)
/P2: length 107.1
  Top w0.178: v1(62.99,55.12) 63.35,54.76 64.41,54.76 66.09,53.09 124.21,53.09 v1(124.46,52.83)
  Bottom w0.178: U208.26 U205.35 v1(62.99,55.12) ; U301.10 123.7,81.03 123.7,65.91 123.19,65.4 123.19,62.23 124.46,60.96 v1(124.46,52.83) U207.4
/P3: length 107.2
  Top w0.178: v1(127,53.34) 126.75,53.59 66.55,53.59 65.53,54.62 v1(65.53,55.12)
  Bottom w0.178: U301.9 126.24,81.03 126.24,65.91 125.73,65.4 125.73,62.23 127,60.96 v1(127,53.34) U207.5 ; v1(65.53,55.12) U205.34 U208.25
/P4: length 99.2
  Top w0.178: v1(129.54,53.59) 129.03,54.1 68.83,54.1 68.58,54.36 v1(68.07,54.36)
  Bottom w0.178: U208.24 U205.33 v1(68.07,54.36) ; U301.8 127.51,66.17 128.27,65.4 128.27,62.23 129.54,60.96 v1(129.54,53.59) U207.6
/P5: length 105.7
  Top w0.178: v1(70.61,54.86) 71.37,54.86 71.63,54.61 131.06,54.61 v1(132.08,53.59) ; U301.7 126.49,76.2 129.29,76.2 v1(130.81,74.68)
  Bottom w0.178: U208.23 U205.32 v1(70.61,54.86) ; U207.7 v1(132.08,53.59) 132.08,60.96 130.81,62.23 v1(130.81,74.68)
/P6: length 110.6
  Top w0.178: v1(73.15,55.37) 73.91,55.37 74.17,55.12 133.86,55.12 v1(134.62,54.36) ; v1(131.32,76.2) 130.71,76.81 124.56,76.81 U301.6
  Bottom w0.178: v1(131.32,76.2) 131.32,75.7 131.57,75.44 131.57,72.9 131.32,72.64 131.32,67.06 133.35,65.02 133.35,62.48 134.62,61.21 v1(134.62,54.36) U207.8 ; U208.22 U205.31 v1(73.15,55.37)
/P7: length 117.1
  Top w0.178: v1(160.02,55.12) v1(137.16,55.12) 136.65,55.63 76.2,55.63 v1(75.69,56.13)
  Bottom w0.178: v1(75.69,56.13) U205.30 U208.21 ; U207.9 v1(137.16,55.12) ; v1(160.02,55.12) 160.02,59.44 156.21,63.25 156.21,66.29 R338.1 R340.1
/PB6: length 109.7
  Top w0.178: v1(98.04,39.12) 98.15,39.01 98.95,39.01 99.05,39.12 107.44,39.12 107.7,39.37 114.05,39.37 114.55,38.86 119.63,38.86 121.16,37.34 141.22,37.34 141.73,36.83 v1(155.96,36.83)
  Bottom w0.178: U207.16 154.94,47.5 156.21,46.23 156.21,38.73 155.96,38.48 v1(155.96,36.83) ; J201.35 96.01,3.81 97.41,5.21 97.41,20.32 98.43,21.34 98.43,38.23 98.04,38.61 v1(98.04,39.12)
/power/LX: length 12.1
  Top w1.016: L101.1 147.03,86.4 D101.1 ; U101.2 D101.1 ; D101.1 142.03,91.4
/Q: length 44.7
  Bottom w0.178: U209.5 128.02,4.32 129.79,4.32 130.3,4.83 130.3,11.06 129.03,12.33 U209.11 129.03,14.59 127.25,16.37 127.25,23.88 125.73,25.4 125.73,37.59 U206.35
/RAM_R~{W}: length 147
  Top w0.178: v1(51.56,5.08) 89.16,5.08 89.72,4.52 103.7,4.52 105.73,2.49 142.43,2.49 143.19,3.25 147.77,3.25 148.7,4.18 154.55,4.18 154.94,4.57 U203.6
  Bottom w0.178: v1(51.56,5.08) 51.56,42.56 52.83,43.83 U204.27
/R~{W}: length 151.6
  Top w0.178: R217.1 v1(166.62,46.48) ; 94.54,4.88 90.02,4.88 J201.30 ; 94.54,4.88 103.85,4.88 105.88,2.84 142.28,2.84 143.04,3.61 147.62,3.61 U203.4 153.42,9.4 v1(159,9.4) ; 94.54,4.88 94.3,4.88
  Bottom w0.178: v1(159,9.4) 162.05,9.4 164.08,11.43 164.08,18.54 167.64,22.1 167.64,44.2 166.62,45.21 v1(166.62,46.48) 166.62,50.29 165.35,51.56 165.35,60.34 162.56,63.13 U207.22
/R~{W}R: length 8.6
  Top w0.178: R217.2 141.22,44.96 141.22,43.43 140.46,42.67 138.43,42.67 U206.32
/SEL0: length 118.1
  Top w0.178: v1(137.92,67.56) 135.79,69.7 128.63,69.7 125.89,66.95 108.81,66.95 99.46,76.3 57.81,76.3 v1(57.15,76.96)
  Bottom w0.178: v1(57.15,76.96) 56.13,77.98 56.13,85.6 U302.10 ; v1(137.92,67.56) 138.43,67.06 138.43,63.25 142.24,59.44 U207.11
